# Altium PCB MKRZero_V5.0.PcbDoc (part 1 of 2)
Units mm, origin at the board's own origin, x right, y up, seen from the top; angles counter-clockwise.
Board outline 61.5 x 25 mm, 2 copper layers (Top, Bottom); 92 components, 67 nets, 307 pads, 160 vias.
Unrouted connection lines stored in the file: 95.
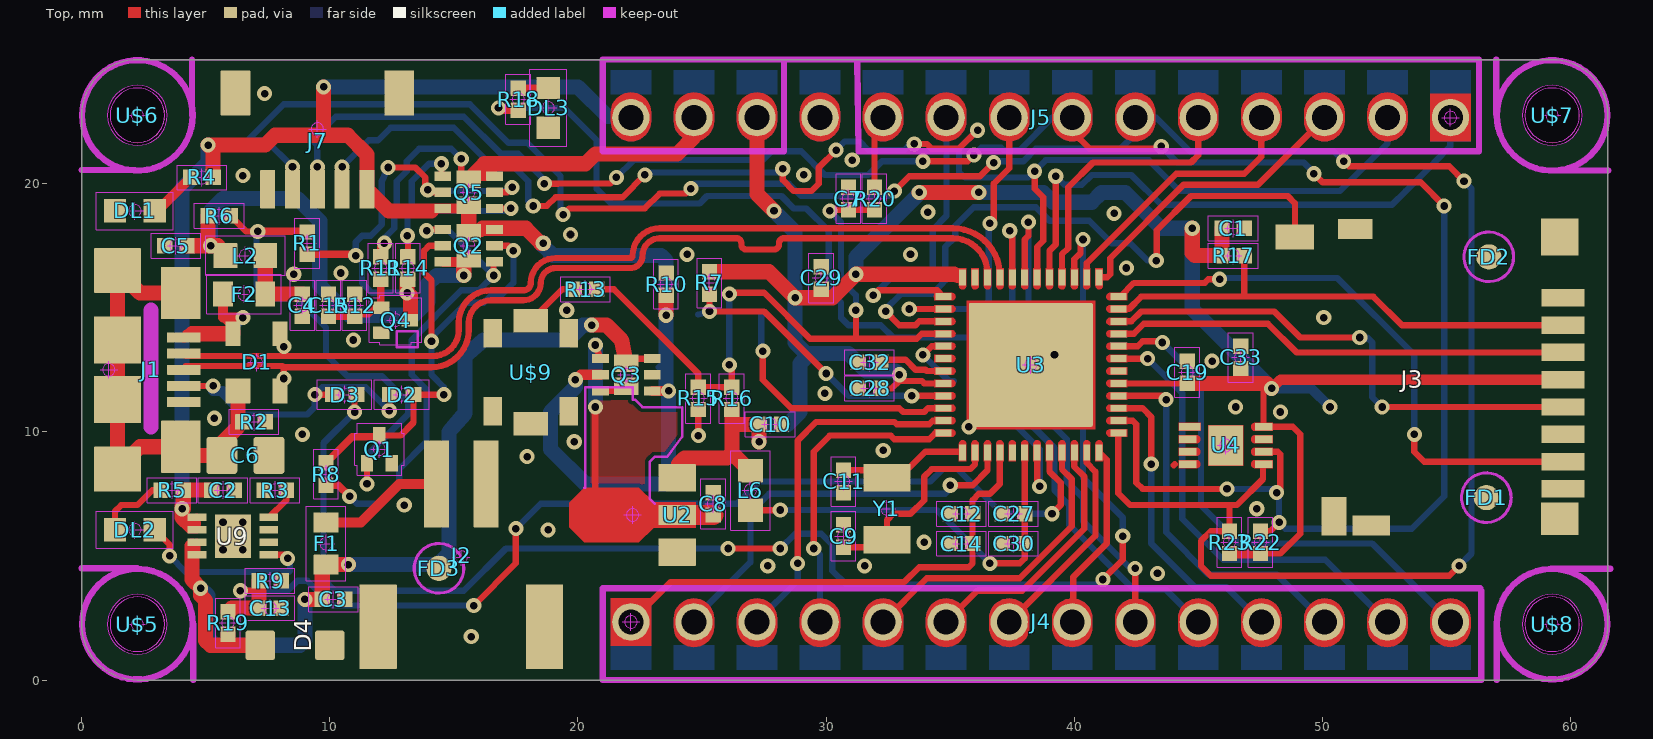
[diagram p0: Top view]
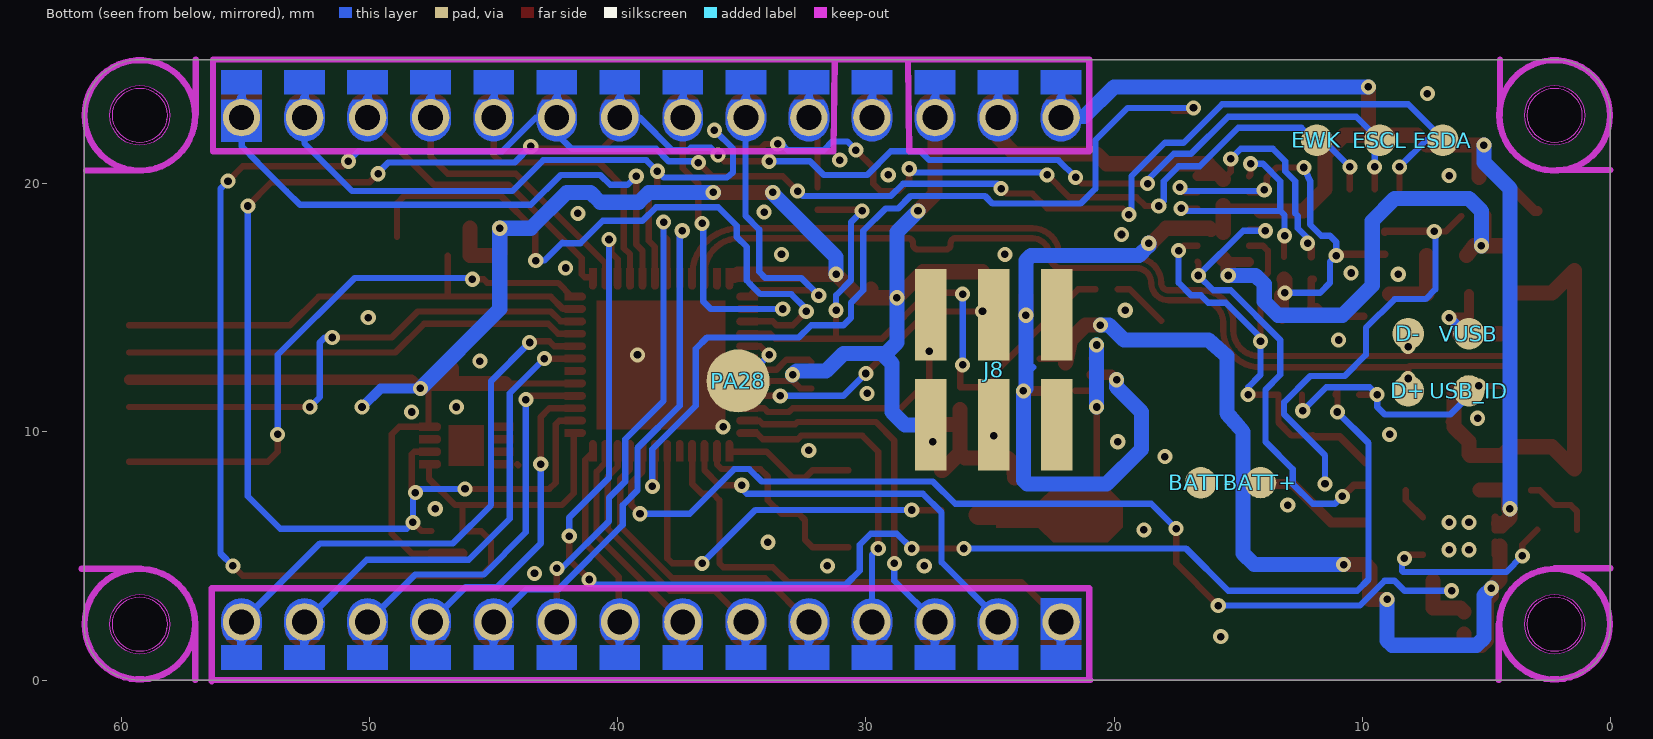
[diagram p1: Bottom view, seen from below]

## Layer stack, top to bottom
Top Solder: solder mask 0.0102, Solder Resist, Dk 3.5
Top: signal copper 0.035
Dielectric 1: dielectric 0.32, FR-4, Dk 4.8
Bottom: signal copper 0.035
Bottom Solder: solder mask 0.0102, Solder Resist, Dk 3.5

## Board outline
59.25,25 2.25,25 ccw(c2.25,22.75) 0,22.75 0,2.25 ccw(c2.25,2.25) 2.25,0 59.25,0 ccw(c59.25,2.25) 61.5,2.25 61.5,22.75 ccw(c59.25,22.75)
cut-out: 59.25,21.544 ccw(c59.25,22.75) 60.457,22.75 ccw(c59.25,22.75) 59.25,23.957 ccw(c59.25,22.75) 58.044,22.75 ccw(c59.25,22.75)
cut-out: 59.25,1.043 ccw(c59.25,2.25) 60.457,2.25 ccw(c59.25,2.25) 59.25,3.456 ccw(c59.25,2.25) 58.044,2.25 ccw(c59.25,2.25)
cut-out: 2.25,1.043 ccw(c2.25,2.25) 3.456,2.25 ccw(c2.25,2.25) 2.25,3.456 ccw(c2.25,2.25) 1.043,2.25 ccw(c2.25,2.25)
cut-out: 2.25,21.544 ccw(c2.25,22.75) 3.456,22.75 ccw(c2.25,22.75) 2.25,23.957 ccw(c2.25,22.75) 1.043,22.75 ccw(c2.25,22.75)
cut-out: 59.25,21.65 ccw(c59.25,22.75) 60.35,22.75 ccw(c59.25,22.75) 59.25,23.85 ccw(c59.25,22.75) 58.15,22.75 ccw(c59.25,22.75)
cut-out: 2.25,21.65 ccw(c2.25,22.75) 3.35,22.75 ccw(c2.25,22.75) 2.25,23.85 ccw(c2.25,22.75) 1.15,22.75 ccw(c2.25,22.75)
cut-out: 2.25,1.15 ccw(c2.25,2.25) 3.35,2.25 ccw(c2.25,2.25) 2.25,3.35 ccw(c2.25,2.25) 1.15,2.25 ccw(c2.25,2.25)
cut-out: 59.25,1.15 ccw(c59.25,2.25) 60.35,2.25 ccw(c59.25,2.25) 59.25,3.35 ccw(c59.25,2.25) 58.15,2.25 ccw(c59.25,2.25)

## Design rules (kind name [scope] priority, off if disabled: settings)
BoardOutlineClearance mdCopperDimension [All] p1: gap=0.254 ignorepadtopadclearanceinfootprint=FALSE except(0: Arc-SplitContinuation Track-SplitContinuation SMDPad-SplitContinuation THPad-SplitContinuation Via-SplitContinuation Fill-SplitContinuation Poly-SplitContinuation Region-SplitContinuation Text-SplitContinuation)
Clearance "Clearance (Same Net)" [All] p1: gap=0.152 ignorepadtopadclearanceinfootprint=FALSE
Clearance [All] p2: gap=0.152 ignorepadtopadclearanceinfootprint=FALSE
HoleSize [All] p1: absolutevalues=TRUE maxlimit=2540 minlimit=0.305 maxpercent=80.000 minpercent=20.000
HoleToHoleClearance mdDrill [All] p1: gap=0.254 allowstackedmicrovias=TRUE
MinimumSolderMaskSliver [All] p1 off: minsoldermaskwidth=0.254
PasteMaskExpansion Expansion_SMDPaste_OFF [InPadClass('SMDPaste_OFF')] p1: expansion=0
PasteMaskExpansion mlMinCreamFrame [All] p2: expansion=0
PolygonConnect PolygonConnect_For_PolygonThermal_ON_Width100000_Gap80000 [InPolygonClass('PolygonThermal_ON_Width100000_Gap80000') vs Not IsVia] p1: connectstyle=Relief reliefconductorwidth=0.254 reliefentries=4 polygonreliefangle="90 Angle" airgapwidth=0.203
PolygonConnect ThermalVias [IsVia] p2: connectstyle=Direct reliefconductorwidth=0.254 reliefentries=4 polygonreliefangle="90 Angle" airgapwidth=0.254
PolygonConnect [All] p3: connectstyle=Relief reliefconductorwidth=0.254 reliefentries=4 polygonreliefangle="90 Angle" airgapwidth=0.254
RoutingVias [All] p1: holewidth=0.305 width=0.61 viastyle="Through Hole" minholewidth=0.305 minwidth=0.61 maxholewidth=2.54 maxwidth=2.54
SolderMaskExpansion Expansion_SMDSolder_OFF [InPadClass('SMDSolder_OFF')] p1: expansion=0 istentingtop=FALSE
SolderMaskExpansion mlMinStopFrame [All] p2: expansion=0.051 istentingtop=FALSE
Width [All] p1: maxlimit=0.254 minlimit=0.152 preferedwidth=0.152
26 further rules are at their usual default settings.

## Classes and differential pairs
polygon class PolygonThermal_ON_Width100000_Gap80000: Polygon_1_Net_VLDO
pad class SMDSolder_OFF: Q1-D Q1-G Q1-S Q4-D Q4-G Q4-S U2-1 U2-2 U2-3 U3-1 U3-2 U3-3 U3-4 U3-5 U3-6 U3-7 U3-8 U3-9 U3-10 U3-11 U3-12 U3-13 U3-14 U3-15 U3-16 U3-17 U3-18 U3-19 U3-20 U3-21 U3-22 U3-23 U3-24 U3-25 U3-26 U3-27 U3-28 U3-29 U3-30 U3-31 U3-32 U3-33 U3-34 U3-35 U3-36 U3-37 U3-38 U3-39 U3-40 U3-41 U3-42 U3-43 U3-44 U3-45 U3-46 U3-47 U3-48 U3-49 U4-1 U4-2 U4-3 U4-4 U4-5 U4-6 U4-7 U4-8 U4-9 U9-1 U9-2 U9-3 U9-4 U9-5 U9-6 U9-7 U9-8 U9-PAD
pad class SMDPaste_OFF: BATT+-PP BATT--PP D+-PP D--PP ESCL-PP ESDA-PP EWK-PP FD1-P$1 FD2-P$1 FD3-P$1 PA28-PP Q1-D Q1-G Q1-S Q4-D Q4-G Q4-S U2-1 U2-2 U2-3 U3-1 U3-2 U3-3 U3-4 U3-5 U3-6 U3-7 U3-8 U3-9 U3-10 U3-11 U3-12 U3-13 U3-14 U3-15 U3-16 U3-17 U3-18 U3-19 U3-20 U3-21 U3-22 U3-23 U3-24 U3-25 U3-26 U3-27 U3-28 U3-29 U3-30 U3-31 U3-32 U3-33 U3-34 U3-35 U3-36 U3-37 U3-38 U3-39 U3-40 U3-41 U3-42 U3-43 U3-44 U3-45 U3-46 U3-47 U3-48 U3-49 U4-1 U4-2 U4-3 U4-4 U4-5 U4-6 U4-7 U4-8 U4-9 U9-1 U9-2 U9-3 U9-4 U9-5 U9-6 U9-7 U9-8 U9-PAD USB_ID-PP VUSB-PP

## Components (designator, comment, footprint, x,y, rotation, side; value= is the part's Value field where it differs from the comment)
BATT+ "PTR1B1,27" B1,27 14.1,7.955 r180 bottom
BATT- "PTR1B1,27" B1,27 16.505,7.945 r180 bottom
C1 "" 0402-1005X55N 46.4,18.2 r0 top
C2 "" 0402-1005X55N 5.7,7.65 r0 top
C3 "" 0402-1005X55N 10.15,3.25 r0 top
C4 "" 0402-1005X55N 8.9,15.1 r270 top
C5 "" 0402-1005X55N 3.8,17.5 r180 top
C6 "" C0805 6.6,9.05 r90 top
C7 "" 0402-1005X55N 30.9,19.4 r90 top
C8 "" 0402-1005X55N 25.45,7.1 r90 top
C9 "" 0402-1005X55N 30.7,5.8 r270 top
C10 "" 0402-1005X55N 27.75,10.3 r0 top
C11 "" 0402-1005X55N 30.7,8 r90 top
C12 "" 0402-1005X55N 35.45,6.7 r180 top
C13 "" 0402-1005X55N 7.6,2.9 r0 top
C14 "" 0402-1005X55N 35.45,5.5 r180 top
C15 "" 0402-1005X55N 9.95,15.1 r90 top
C19 "" 0402-1005X55N 44.55,12.4 r90 top
C27 "" 0402-1005X55N 37.551,6.7 r180 top
C28 "" 0402-1005X55N 31.75,11.75 r180 top
C29 "" 0402-1005X55N 29.8,16.2 r90 top
C30 "" 0402-1005X55N 37.55,5.5 r180 top
C32 "" 0402-1005X55N 31.751,12.8 r180 top
C33 "" 0402-1005X55N 46.7,13 r90 top
D1 "" SOT190P230X110-4N 7.05,12.8 r90 top
D2 "" SODFL1008X40N-882D 12.9,11.5 r0 top
D3 "" SODFL1008X40N-882D 10.6,11.5 r0 top
D4 "" SMA_DO123 8.6,1.4 r90 top
D+ "" B1,27 8.15,11.65 r180 bottom
D- "" B1,27 8.15,13.95 r180 bottom
DL1 "" LEDC1608X80N-AK 2.15,18.9 r0 top
DL2 "" LEDC1608X80N-AK 2.15,6.05 r180 top
DL3 "" LEDC1608X80N-AK 18.8,23.05 r90 top
ESCL "" B1,27 9.29,21.75 r180 bottom
ESDA "" B1,27 6.75,21.75 r180 bottom
EWK "" B1,27 11.83,21.75 r180 bottom
F1 "" 0603-F1608X100N 9.85,5.5 r270 top
F2 "" 0603-F1608X100N 6.55,15.55 r180 top
FD1 "" FIDUCIAL-MOUNT 56.6,7.35 r90 top
FD2 "" FIDUCIAL-MOUNT 56.7,17.05 r90 top
FD3 "" FIDUCIAL-MOUNT 14.4,4.5 r0 top
FRAME1 "" FRAME -2.3,-25.85 r0 top
FRAME2 "" FRAME -1.8,-21.7 r0 top
J1 "" USBMICRO-ZX62-AB-5PA 1.1,12.5 r270 top
J2 "" JST-S2B-PH-SM4-TB 15.3,4.95 r0 top
J3 "" AMPHENOL_114-00841-68 53.8,12.2 r90 top
J4 "" STRIP-14-MODULI-A11 22.135,2.34 r0 top
J5 "" STRIP-14-MODULI-A11 55.155,22.66 r180 top
J7 "" SM05B-SRSS-TB 9.5,22.2 r180 top
J8 "" 2X3_SMT 24.85,12.5 r180 bottom
L2 "" 0603-1608X90N 6.6,17.1 r180 top
L6 "" 0603-1608X90N 26.95,7.64 r270 top
PA28 "" B2,54 35.15,12.05 r180 bottom
Q1 "" SOTFL50P160X78-3 12,9.3 r0 top
Q2 "" SON65P200X200X60-8N-DM 15.6,17.5 r180 top
Q3 "" SON65P205X205X75-8N-MWSD 21.95,12.3 r0 top
Q4 "" SOTFL50P160X78-3 12.65,14.5 r270 top
Q5 "" SON65P200X200X60-8N-DM 15.6,19.65 r0 top
R1 "" 0402-1005X55N 9.1,17.6 r90 top
R2 "" 0402-1005X55N 6.95,10.4 r180 top
R3 "" 0402-1005X55N 7.8,7.65 r0 top
R4 "" 0402-1005X55N 4.85,20.25 r0 top
R5 "" 0402-1005X55N 3.65,7.65 r0 top
R6 "" 0402-1005X55N 5.55,18.7 r180 top
R7 "" 0402-1005X55N 25.3,16 r90 top
R8 "" 0402-1005X55N 9.85,8.3 r270 top
R9 "" 0402-1005X55N 7.6,4 r180 top
R10 "" 0402-1005X55N 23.55,15.95 r270 top
R11 "" 0402-1005X55N 12.05,16.6 r90 top
R12 "" 0402-1005X55N 11,15.1 r270 top
R13 "" 0402-1005X55N 20.3,15.75 r0 top
R14 "" 0402-1005X55N 13.15,16.6 r90 top
R15 "" 0402-1005X55N 24.85,11.35 r90 top
R16 "" 0402-1005X55N 26.2,11.35 r270 top
R17 "" 0402-1005X55N 46.4,17.1 r180 top
R18 "" 0402-1005X55N 17.6,23.4 r90 top
R19 "" 0402-1005X55N 5.9,2.3 r270 top
R20 "" 0402-1005X55N 31.95,19.4 r90 top
R22 "" 0402-1005X55N 47.5,5.55 r270 top
R23 "" 0402-1005X55N 46.25,5.55 r270 top
U2 "" SOT150P400X160-3N 22.2,6.65 r90 top
U3 "" QFN50P700X700X90-49XN-EPSQ515 38.25,12.7 r90 top
U4 "" SON50P300X200X60-9N-EP160X140 46.1,9.45 r0 top
U9 "" 2X3DFN 6.1,5.8 r270 top
U$5 "" MH_RND_F_2.2MM_NM 2.25,2.25 r90 top
U$6 "" MH_RND_F_2.2MM_NM 2.25,22.75 r90 top
U$7 "" MH_RND_F_2.2MM_NM 59.25,22.75 r90 top
U$8 "" MH_RND_F_2.2MM_NM 59.25,2.25 r90 top
U$9 "" C&K_PTS820_NOPEGS 18.1,12.4 r90 top
USB_ID "" B1,27 5.7,11.65 r180 bottom
VUSB "" B1,27 5.7,13.95 r180 bottom
Y1 "" QUARZO-ABS07 32.45,6.9 r90 top

## Footprints (in the part's own frame and the unit in brackets; to place one, negate y for a bottom-side part, rotate by r counter-clockwise, add the part's x,y. Pads: shape width x height; smd on the part's side, far side on the other; paste and mask are expansions set on the pad)
2X3_SMT [mil] "2X3_SMT"
  rect 50x145 smd: 1(-100,-87.5) 2(-100,87.5) 3(0,-87.5) 4(0,87.5) 5(100,-87.5) 6(100,87.5)
  body extent -125,-160 125,160, height 50
2X3DFN [mm] "2X3DFN"
  rect 0.3x0.75 smd paste+0 mask+0: 1(-0.75,-1.45) 2(-0.25,-1.45) 3(0.25,-1.45) 4(0.75,-1.45) 5(0.75,1.45) 6(0.25,1.45) 7(-0.25,1.45) 8(-0.75,1.45)
  rect 1.75x1.45 smd paste+0 mask+0: PAD(0,0)
  body extent -0.9,-1.83 0.9,1.83, height 3.81
0402-1005X55N [mm] "0402-1005X55N"
  rrect3% 0.62x0.62 smd: 1(-0.45,0) 2(0.45,0)
  Top keep-out circle w0.05: c0,0 r0.25
  Top keep-out lines w0.05: -0.35,0 0.35,0 ; 0,-0.35 0,0.35 ; -1,-0.5 -1,0.5 1,0.5 1,-0.5 -1,-0.5
  body extent -1.03,-0.53 1.03,0.53, height 3.81
0603-1608X90N [mm] "0603-1608X90N"
  rrect3% 0.95x1 smd: 1(-0.8,0) 2(0.8,0)
  Top keep-out circle w0.05: c0,0 r0.25
  Top keep-out lines w0.05: 0.35,0 -0.35,0 ; 0,0.35 0,-0.35 ; 1.6,0.8 -1.6,0.8 -1.6,-0.8 1.6,-0.8 1.6,0.8
  body extent -1.63,-0.83 1.63,0.83, height 3.81
0603-F1608X100N [mm] "0603-F1608X100N"
  rrect3% 0.8x1 smd: 1(-0.85,0) 2(0.85,0)
  Top keep-out circle w0.05: c0,0 r0.25
  Top keep-out lines w0.05: 0,-0.35 0,0.35 ; 0.35,0 -0.35,0 ; 1.5,-0.8 1.5,0.8 -1.5,0.8 -1.5,-0.8 1.5,-0.8
  body extent -1.53,-0.83 1.53,0.83, height 3.81
AMPHENOL_114-00841-68 [mm] "AMPHENOL_114-00841-68"
  rect 0.7x1.75 smd: 1(3.2,-5.888) 2(2.1,-5.888) 3(1,-5.888) 4(-0.1,-5.888) 5(-1.2,-5.888) 6(-2.3,-5.888) 7(-3.4,-5.888) 8(-4.5,-5.888)
  rect 1x1.55 smd: CD1(5.65,4.912)
  rect 1.55x1 smd: CD2(-5.602,3.337)
  rect 1.3x1.5 smd: SH1(-5.7,-5.76)
  rect 1.5x1.5 smd: SH2(5.65,-5.76)
  rect 0.8x1.4 smd: SH3(5.975,2.487)
  rect 0.8x1.5 smd: SH4(-5.975,1.837)
  body extent -6.38,-9.05 6.4,5.69, height 3.81
B1,27 [mm] "B1,27"
  rrect100% 1.27x1.27 smd paste+0: PP(0,0)
  body extent -0.65,-0.65 0.65,0.65, height 1.27
B2,54 [mm] "B2,54"
  rrect100% 2.54x2.54 smd paste+0: PP(0,0)
  body extent -1.28,-1.28 1.28,1.28, height 1.27
C0805 [mm] "C0805"
  rrect20% 1.5x1.25 smd: 1(0,0.95) 2(0,-0.95)
  body extent -0.76,-1.59 0.76,1.59, height 1.27
C&K_PTS820_NOPEGS [mm] "C&K_PTS820_NOPEGS"
  rect 1.15x0.75 smd: 1(-1.575,1.525) 2(-1.575,-1.525) 3(1.575,1.525) 4(1.575,-1.525)
  rect 0.95x1.4 smd: 5(-2.075,0) 6(2.075,0)
  body extent -2.55,-1.9 2.55,1.9, height 1.27
FIDUCIAL-MOUNT [mil] "FIDUCIAL-MOUNT"
  rrect100% 40x40 smd paste+0: P$1(0,0)
  Top keep-out circle w5: c0,0 r39.37
  body extent -44,-44 44,44, height 150
FRAME [mm] "FRAME"
JST-S2B-PH-SM4-TB [mm] "JST-S2B-PH-SM4-TB"
  rrect3% 1x3.5 smd: 1(-1,2.95) 2(1,2.95)
  rrect3% 1.5x3.4 smd: 3(3.35,-2.8) 4(-3.35,-2.8)
  Top keep-out circle w0.05: c0,0 r0.25
  Top keep-out lines w0.05: -0.35,0 0.35,0 ; 0,-0.35 0,0.35
  body extent -4.1,-4.5 4.1,4.7, height 3.81
LEDC1608X80N-AK [mil] "LEDC1608X80N-AK"
  rrect3% 35.43x37.4 smd: A(31.5,0) C(-31.5,0)
  Top keep-out circle w1.97: c0,0 r9.84
  Top keep-out lines w1.97: -13.78,0 13.78,0 ; 0,-13.78 0,13.78 ; -61.02,-29.53 61.02,-29.53 61.02,29.53 -61.02,29.53 -61.02,-29.53
  body extent -62,-31 62,31, height 150
MH_RND_F_2.2MM_NM [mm] "MH_RND_F_2.2MM_NM"
  Top keep-out circle w0.05: c0,0 r0.25
  Top keep-out lines w0.05: 0,0.35 0,-0.35 ; -0.35,0 0.35,0
  body extent -2.31,-2.31 2.31,2.31, height 3.81
QFN50P700X700X90-49XN-EPSQ515 [mm] "QFN50P700X700X90-49XN-EPSQ515"
  rrect3% 0.65x0.28 smd paste+0 mask+0: 1(-3.525,2.75) 2(-3.525,2.25) 3(-3.525,1.75) 4(-3.525,1.25) 5(-3.525,0.75) 6(-3.525,0.25) 7(-3.525,-0.25) 8(-3.525,-0.75) 9(-3.525,-1.25) 10(-3.525,-1.75) 11(-3.525,-2.25) 12(-3.525,-2.75) 25(3.525,-2.75) 26(3.525,-2.25) 27(3.525,-1.75) 28(3.525,-1.25) 29(3.525,-0.75) 30(3.525,-0.25) 31(3.525,0.25) 32(3.525,0.75) 33(3.525,1.25) 34(3.525,1.75) 35(3.525,2.25) 36(3.525,2.75)
  rrect3% 0.28x0.65 smd paste+0 mask+0: 13(-2.75,-3.525) 14(-2.25,-3.525) 15(-1.75,-3.525) 16(-1.25,-3.525) 17(-0.75,-3.525) 18(-0.25,-3.525) 19(0.25,-3.525) 20(0.75,-3.525) 21(1.25,-3.525) 22(1.75,-3.525) 23(2.25,-3.525) 24(2.75,-3.525) 37(2.75,3.525) 38(2.25,3.525) 39(1.75,3.525) 40(1.25,3.525) 41(0.75,3.525) 42(0.25,3.525) 43(-0.25,3.525) 44(-0.75,3.525) 45(-1.25,3.525) 46(-1.75,3.525) 47(-2.25,3.525) 48(-2.75,3.525)
  rrect3% 5x5 smd paste+0 mask+0: 49(0,0)
  Top region: 2.898,3.888 2.898,3.185 2.879,3.111 2.825,3.057 2.752,3.037 2.752,3.037 2.694,3.047 2.646,3.079 2.613,3.128 2.601,3.185 2.601,3.185 2.601,3.888
  Top region: 2.601,-3.888 2.601,-3.185 2.613,-3.128 2.646,-3.079 2.694,-3.047 2.752,-3.037 2.752,-3.037 2.825,-3.057 2.879,-3.111 2.898,-3.185 2.898,-3.185 2.898,-3.888
  Top region: 3.888,2.601 3.185,2.601 3.128,2.613 3.079,2.646 3.047,2.694 3.037,2.752 3.037,2.752 3.057,2.825 3.111,2.879 3.185,2.898 3.185,2.898 3.888,2.898
  Top region: -2.898,-3.888 -2.898,-3.185 -2.879,-3.111 -2.825,-3.057 -2.752,-3.037 -2.752,-3.037 -2.694,-3.047 -2.646,-3.079 -2.613,-3.128 -2.601,-3.185 -2.601,-3.185 -2.601,-3.888
  Top region: -2.399,-3.888 -2.399,-3.185 -2.387,-3.128 -2.354,-3.079 -2.306,-3.047 -2.248,-3.037 -2.248,-3.037 -2.175,-3.057 -2.121,-3.111 -2.102,-3.185 -2.102,-3.185 -2.102,-3.888
  Top region: -1.898,-3.888 -1.898,-3.185 -1.879,-3.111 -1.825,-3.057 -1.752,-3.037 -1.752,-3.037 -1.694,-3.047 -1.646,-3.079 -1.613,-3.128 -1.601,-3.185 -1.601,-3.185 -1.601,-3.888
  Top region: -1.399,-3.888 -1.399,-3.185 -1.387,-3.128 -1.354,-3.079 -1.306,-3.047 -1.248,-3.037 -1.248,-3.037 -1.175,-3.057 -1.121,-3.111 -1.102,-3.185 -1.102,-3.185 -1.102,-3.888
  Top region: -0.898,-3.888 -0.898,-3.185 -0.879,-3.111 -0.825,-3.057 -0.752,-3.037 -0.752,-3.037 -0.694,-3.047 -0.646,-3.079 -0.613,-3.128 -0.601,-3.185 -0.601,-3.185 -0.601,-3.888
  Top region: -0.399,-3.888 -0.399,-3.185 -0.387,-3.128 -0.354,-3.079 -0.306,-3.047 -0.248,-3.037 -0.248,-3.037 -0.175,-3.057 -0.121,-3.111 -0.102,-3.185 -0.102,-3.185 -0.102,-3.888
  Top region: 0.102,-3.888 0.102,-3.185 0.121,-3.111 0.175,-3.057 0.248,-3.037 0.248,-3.037 0.306,-3.047 0.354,-3.079 0.387,-3.128 0.399,-3.185 0.399,-3.185 0.399,-3.888
  Top region: 0.601,-3.888 0.601,-3.185 0.613,-3.128 0.646,-3.079 0.694,-3.047 0.752,-3.037 0.752,-3.037 0.825,-3.057 0.879,-3.111 0.898,-3.185 0.898,-3.185 0.898,-3.888
  Top region: 1.102,-3.888 1.102,-3.185 1.121,-3.111 1.175,-3.057 1.248,-3.037 1.248,-3.037 1.306,-3.047 1.354,-3.079 1.387,-3.128 1.399,-3.185 1.399,-3.185 1.399,-3.888
  Top region: 1.601,-3.888 1.601,-3.185 1.613,-3.128 1.646,-3.079 1.694,-3.047 1.752,-3.037 1.752,-3.037 1.825,-3.057 1.879,-3.111 1.898,-3.185 1.898,-3.185 1.898,-3.888
  Top region: 2.102,-3.888 2.102,-3.185 2.121,-3.111 2.175,-3.057 2.248,-3.037 2.248,-3.037 2.306,-3.047 2.354,-3.079 2.387,-3.128 2.399,-3.185 2.399,-3.185 2.399,-3.888
  Top region: -3.888,1.898 -3.185,1.898 -3.111,1.879 -3.057,1.825 -3.037,1.752 -3.037,1.752 -3.047,1.694 -3.079,1.646 -3.128,1.613 -3.185,1.601 -3.185,1.601 -3.888,1.601
  Top region: -3.888,1.399 -3.185,1.399 -3.128,1.387 -3.079,1.354 -3.047,1.306 -3.037,1.248 -3.037,1.248 -3.057,1.175 -3.111,1.121 -3.185,1.102 -3.185,1.102 -3.888,1.102
  Top region: -3.888,0.898 -3.185,0.898 -3.111,0.879 -3.057,0.825 -3.037,0.752 -3.037,0.752 -3.047,0.694 -3.079,0.646 -3.128,0.613 -3.185,0.601 -3.185,0.601 -3.888,0.601
  Top region: -3.888,0.399 -3.185,0.399 -3.128,0.387 -3.079,0.354 -3.047,0.306 -3.037,0.248 -3.037,0.248 -3.057,0.175 -3.111,0.121 -3.185,0.102 -3.185,0.102 -3.888,0.102
  Top region: -3.888,-0.102 -3.185,-0.102 -3.111,-0.121 -3.057,-0.175 -3.037,-0.248 -3.037,-0.248 -3.047,-0.306 -3.079,-0.354 -3.128,-0.387 -3.185,-0.399 -3.185,-0.399 -3.888,-0.399
  Top region: -3.888,-0.601 -3.185,-0.601 -3.128,-0.613 -3.079,-0.646 -3.047,-0.694 -3.037,-0.752 -3.037,-0.752 -3.057,-0.825 -3.111,-0.879 -3.185,-0.898 -3.185,-0.898 -3.888,-0.898
  Top region: -3.888,-1.102 -3.185,-1.102 -3.111,-1.121 -3.057,-1.175 -3.037,-1.248 -3.037,-1.248 -3.047,-1.306 -3.079,-1.354 -3.128,-1.387 -3.185,-1.399 -3.185,-1.399 -3.888,-1.399
  Top region: -3.888,-1.601 -3.185,-1.601 -3.128,-1.613 -3.079,-1.646 -3.047,-1.694 -3.037,-1.752 -3.037,-1.752 -3.057,-1.825 -3.111,-1.879 -3.185,-1.898 -3.185,-1.898 -3.888,-1.898
  Top region: -3.888,-2.102 -3.185,-2.102 -3.111,-2.121 -3.057,-2.175 -3.037,-2.248 -3.037,-2.248 -3.047,-2.306 -3.079,-2.354 -3.128,-2.387 -3.185,-2.399 -3.185,-2.399 -3.888,-2.399
  Top region: -3.888,-2.601 -3.185,-2.601 -3.128,-2.613 -3.079,-2.646 -3.047,-2.694 -3.037,-2.752 -3.037,-2.752 -3.057,-2.825 -3.111,-2.879 -3.185,-2.898 -3.185,-2.898 -3.888,-2.898
  Top region: 2.399,3.888 2.399,3.185 2.387,3.128 2.354,3.079 2.306,3.047 2.248,3.037 2.248,3.037 2.175,3.057 2.121,3.111 2.102,3.185 2.102,3.185 2.102,3.888
  Top region: 1.898,3.888 1.898,3.185 1.879,3.111 1.825,3.057 1.752,3.037 1.752,3.037 1.694,3.047 1.646,3.079 1.613,3.128 1.601,3.185 1.601,3.185 1.601,3.888
  Top region: 1.399,3.888 1.399,3.185 1.387,3.128 1.354,3.079 1.306,3.047 1.248,3.037 1.248,3.037 1.175,3.057 1.121,3.111 1.102,3.185 1.102,3.185 1.102,3.888
  Top region: 0.898,3.888 0.898,3.185 0.879,3.111 0.825,3.057 0.752,3.037 0.752,3.037 0.694,3.047 0.646,3.079 0.613,3.128 0.601,3.185 0.601,3.185 0.601,3.888
  Top region: 0.399,3.888 0.399,3.185 0.387,3.128 0.354,3.079 0.306,3.047 0.248,3.037 0.248,3.037 0.175,3.057 0.121,3.111 0.102,3.185 0.102,3.185 0.102,3.888
  Top region: -0.102,3.888 -0.102,3.185 -0.121,3.111 -0.175,3.057 -0.248,3.037 -0.248,3.037 -0.306,3.047 -0.354,3.079 -0.387,3.128 -0.399,3.185 -0.399,3.185 -0.399,3.888
  Top region: -0.601,3.888 -0.601,3.185 -0.613,3.128 -0.646,3.079 -0.694,3.047 -0.752,3.037 -0.752,3.037 -0.825,3.057 -0.879,3.111 -0.898,3.185 -0.898,3.185 -0.898,3.888
  Top region: -1.102,3.888 -1.102,3.185 -1.121,3.111 -1.175,3.057 -1.248,3.037 -1.248,3.037 -1.306,3.047 -1.354,3.079 -1.387,3.128 -1.399,3.185 -1.399,3.185 -1.399,3.888
  Top region: -1.601,3.888 -1.601,3.185 -1.613,3.128 -1.646,3.079 -1.694,3.047 -1.752,3.037 -1.752,3.037 -1.825,3.057 -1.879,3.111 -1.898,3.185 -1.898,3.185 -1.898,3.888
  Top region: -2.102,3.888 -2.102,3.185 -2.121,3.111 -2.175,3.057 -2.248,3.037 -2.248,3.037 -2.306,3.047 -2.354,3.079 -2.387,3.128 -2.399,3.185 -2.399,3.185 -2.399,3.888
  Top region: -2.601,3.888 -2.601,3.185 -2.613,3.128 -2.646,3.079 -2.694,3.047 -2.752,3.037 -2.752,3.037 -2.825,3.057 -2.879,3.111 -2.898,3.185 -2.898,3.185 -2.898,3.888
  Top region: 3.888,-2.898 3.185,-2.898 3.111,-2.879 3.057,-2.825 3.037,-2.752 3.037,-2.752 3.047,-2.694 3.079,-2.646 3.128,-2.613 3.185,-2.601 3.185,-2.601 3.888,-2.601
  Top region: 3.888,-2.399 3.185,-2.399 3.128,-2.387 3.079,-2.354 3.047,-2.306 3.037,-2.248 3.037,-2.248 3.057,-2.175 3.111,-2.121 3.185,-2.102 3.185,-2.102 3.888,-2.102
  Top region: 3.888,-1.898 3.185,-1.898 3.111,-1.879 3.057,-1.825 3.037,-1.752 3.037,-1.752 3.047,-1.694 3.079,-1.646 3.128,-1.613 3.185,-1.601 3.185,-1.601 3.888,-1.601
  Top region: 3.888,-1.399 3.185,-1.399 3.128,-1.387 3.079,-1.354 3.047,-1.306 3.037,-1.248 3.037,-1.248 3.057,-1.175 3.111,-1.121 3.185,-1.102 3.185,-1.102 3.888,-1.102
  Top region: 3.888,-0.898 3.185,-0.898 3.111,-0.879 3.057,-0.825 3.037,-0.752 3.037,-0.752 3.047,-0.694 3.079,-0.646 3.128,-0.613 3.185,-0.601 3.185,-0.601 3.888,-0.601
  Top region: 3.888,-0.399 3.185,-0.399 3.128,-0.387 3.079,-0.354 3.047,-0.306 3.037,-0.248 3.037,-0.248 3.057,-0.175 3.111,-0.121 3.185,-0.102 3.185,-0.102 3.888,-0.102
  Top region: 3.888,0.102 3.185,0.102 3.111,0.121 3.057,0.175 3.037,0.248 3.037,0.248 3.047,0.306 3.079,0.354 3.128,0.387 3.185,0.399 3.185,0.399 3.888,0.399
  Top region: 3.888,0.601 3.185,0.601 3.128,0.613 3.079,0.646 3.047,0.694 3.037,0.752 3.037,0.752 3.057,0.825 3.111,0.879 3.185,0.898 3.185,0.898 3.888,0.898
  Top region: 3.888,1.102 3.185,1.102 3.111,1.121 3.057,1.175 3.037,1.248 3.037,1.248 3.047,1.306 3.079,1.354 3.128,1.387 3.185,1.399 3.185,1.399 3.888,1.399
  Top region: 3.888,1.601 3.185,1.601 3.128,1.613 3.079,1.646 3.047,1.694 3.037,1.752 3.037,1.752 3.057,1.825 3.111,1.879 3.185,1.898 3.185,1.898 3.888,1.898
  Top region: 3.888,2.102 3.185,2.102 3.111,2.121 3.057,2.175 3.037,2.248 3.037,2.248 3.047,2.306 3.079,2.354 3.128,2.387 3.185,2.399 3.185,2.399 3.888,2.399
  Top region: -3.888,2.399 -3.19,2.399 -3.185,2.399 -3.128,2.387 -3.079,2.354 -3.047,2.306 -3.037,2.248 -3.037,2.248 -3.057,2.175 -3.111,2.121 -3.185,2.102 -3.185,2.102 -3.19,2.102 -3.888,2.102
  Top region: -3.888,2.898 -3.19,2.898 -3.185,2.898 -3.111,2.879 -3.057,2.825 -3.037,2.752 -3.037,2.752 -3.047,2.694 -3.079,2.646 -3.128,2.613 -3.185,2.601 -3.185,2.601 -3.19,2.601 -3.888,2.601
  Top region: -2.589,2.589 2.589,2.589 2.589,-2.589 -2.589,-2.589
  Top keep-out circle w0.05: c0,0 r0.25
  Top keep-out lines w0.05: 0,0.35 0,-0.35 ; -0.35,0 0.35,0
  body extent -3.88,-3.88 3.88,3.88, height 3.81
QUARZO-ABS07 [mm] "QUARZO-ABS07"
  rrect3% 1.1x1.9 smd: 1(-1.25,0) 2(1.25,0)
  Top keep-out circle w0.05: c0,0 r0.25
  Top keep-out lines w0.05: 0,0.35 0,-0.35 ; -0.35,0 0.35,0
  body extent -1.8,-0.95 1.8,0.95, height 3.81
SM05B-SRSS-TB [mm] "SM05B-SRSS-TB"
  rrect4% 0.6x1.55 smd: 1(-2,2.425) 2(-1,2.425) 3(0,2.425) 4(1,2.425) 5(2,2.425)
  rrect4% 1.2x1.8 smd: SH1(-3.3,-1.45) SH2(3.3,-1.45)
  Top keep-out circle w0.05: c0,0 r0.25
  Top keep-out lines w0.05: 0.35,0 -0.35,0 ; 0,0.35 0,-0.35
  body extent -3.9,-2.35 3.9,3.2, height 3.81
SMA_DO123 [mm] "SMA_DO123"
  rrect20% 1.2x1.2 smd: A(0,-1.4) C(0,1.4)
  body extent -0.61,-2.01 0.61,2.01, height 1.27
SODFL1008X40N-882D [mm] "SODFL1008X40N-882D"
  rrect3% 0.65x0.6 smd: A(0.475,0) C(-0.475,0)
  Top keep-out circle w0.05: c0,0 r0.25
  Top keep-out lines w0.05: -0.35,0 0.35,0 ; 0,-0.35 0,0.35 ; -1.1,-0.6 1.1,-0.6 1.1,0.6 -1.1,0.6 -1.1,-0.6
  body extent -1.13,-0.63 1.13,0.63, height 3.81
SON50P300X200X60-9N-EP160X140 [mm] "SON50P300X200X60-9N-EP160X140"
  rrect3% 0.85x0.3 smd paste+0 mask+0: 1(-1.45,0.75)
  rrect3% 0.7x0.3 smd paste+0 mask+0: 2(-1.525,0.25) 3(-1.525,-0.25) 4(-1.525,-0.75) 5(1.525,-0.75) 6(1.525,-0.25) 7(1.525,0.25) 8(1.525,0.75)
  rrect3% 1.4x1.6 smd paste+0 mask+0: 9(0,0)
  Top region: 1.888,0.587 1.175,0.587 1.117,0.599 1.067,0.632 1.034,0.681 1.022,0.74 1.022,0.74 1.022,0.75 1.022,0.76 1.034,0.818 1.067,0.868 1.117,0.901 1.175,0.913 1.175,0.913 1.888,0.913
  Top region: 1.888,0.087 1.175,0.087 1.117,0.099 1.067,0.132 1.034,0.182 1.022,0.24 1.022,0.24 1.022,0.25 1.022,0.26 1.034,0.319 1.067,0.368 1.117,0.401 1.175,0.413 1.175,0.413 1.888,0.413
  Top region: 1.888,-0.413 1.175,-0.413 1.117,-0.401 1.067,-0.368 1.034,-0.319 1.022,-0.26 1.022,-0.26 1.022,-0.25 1.022,-0.24 1.034,-0.182 1.067,-0.132 1.117,-0.099 1.175,-0.087 1.175,-0.087 1.888,-0.087
  Top region: 1.888,-0.913 1.175,-0.913 1.117,-0.901 1.067,-0.868 1.034,-0.818 1.022,-0.76 1.022,-0.76 1.022,-0.75 1.022,-0.74 1.034,-0.681 1.067,-0.632 1.117,-0.599 1.175,-0.587 1.175,-0.587 1.888,-0.587
  Top region: -1.888,-0.587 -1.175,-0.587 -1.117,-0.599 -1.067,-0.632 -1.034,-0.681 -1.022,-0.74 -1.022,-0.74 -1.022,-0.75 -1.022,-0.76 -1.034,-0.818 -1.067,-0.868 -1.117,-0.901 -1.175,-0.913 -1.175,-0.913 -1.888,-0.913
  Top region: -1.888,-0.087 -1.175,-0.087 -1.117,-0.099 -1.067,-0.132 -1.034,-0.182 -1.022,-0.24 -1.022,-0.24 -1.022,-0.25 -1.022,-0.26 -1.034,-0.319 -1.067,-0.368 -1.117,-0.401 -1.175,-0.413 -1.175,-0.413 -1.888,-0.413
  Top region: -1.888,0.413 -1.175,0.413 -1.117,0.401 -1.067,0.368 -1.034,0.319 -1.022,0.26 -1.022,0.26 -1.022,0.25 -1.022,0.24 -1.034,0.182 -1.067,0.132 -1.117,0.099 -1.175,0.087 -1.175,0.087 -1.888,0.087
  Top region: -1.886,0.914 -1.01,0.914 -1.01,0.584 -1.886,0.584
  Top region: 0.713,-0.813 0.713,0.813 -0.713,0.813 -0.713,-0.813
  Top keep-out circle w0.05: c0,0 r0.25
  Top keep-out lines w0.05: -0.35,0 0.35,0 ; 0,-0.35 0,0.35
  body extent -1.95,-1.01 1.95,1.01, height 3.81
SON65P200X200X60-8N-DM [mm] "SON65P200X200X60-8N-DM"
  rrect3% 0.67x0.37 smd: D1(1.04,0.65) D2(-1.04,-0.65) G1(-1.04,0) G2(1.04,0) S1(-1.04,0.65) S2(1.04,-0.65)
  rrect3% 1x0.7 smd: D1'(0,0.525) D2'(0,-0.525)
  Top keep-out circle w0.05: c0,0 r0.25
  Top keep-out lines w0.05: 0.35,0 -0.35,0 ; 0,0.35 0,-0.35
  body extent -1.38,-1.01 1.38,1.01, height 3.81
SON65P205X205X75-8N-MWSD [mm] "SON65P205X205X75-8N-MWSD"
  rrect3% 0.67x0.37 smd: A(1.04,-0.65) D(1.04,0.65) G(-1.04,0) K(-1.04,-0.65) NC(1.04,0) S(-1.04,0.65)
  rrect3% 1x0.7 smd: D2(0,0.467) K2(0,-0.467)
  Top keep-out circle w0.05: c0,0 r0.25
  Top keep-out lines w0.05: -0.35,0 0.35,0 ; 0,-0.35 0,0.35
  body extent -1.38,-1.04 1.38,1.04, height 3.81
SOT150P400X160-3N [mil] "SOT150P400X160-3N"
  rrect3% 43.31x59.06 smd paste+0 mask+0: 1(-59.06,-70.87) 3(59.06,-70.87)
  rrect3% 31.5x59.06 smd paste+0 mask+0: 2(0,-70.87)
  Top region: -19.88,-100.59 19.88,-100.59 19.88,-33.54 43.5,-9.92 43.5,76.85 19.77,100.59 -19.77,100.59 -43.51,76.85 -43.5,-9.92 -19.88,-33.54
  Top keep-out circle w1.97: c0,0 r9.84
  Top keep-out lines w1.97: 0,13.78 0,-13.78 ; -13.78,0 13.78,0
  body extent -89,-103 89,103, height 150
SOT190P230X110-4N [mm] "SOT190P230X110-4N"
  rrect3% 1x1 smd: 1(-1.15,0.75)
  rrect3% 1x0.6 smd: 2(-1.15,-0.95) 3(1.15,-0.95) 4(1.15,0.95)
  Top keep-out circle w0.05: c0,0 r0.25
  Top keep-out lines w0.05: 0,0.35 0,-0.35 ; -0.35,0 0.35,0
  body extent -1.65,-1.46 1.65,1.46, height 3.81
SOTFL50P160X78-3 [mm] "SOTFL50P160X78-3"
  rrect4% 0.5x0.66 smd paste+0 mask+0: D(0,0.57) G(-0.5,-0.57) S(0.5,-0.57)
  Top keep-out circle w0.05: c0,0 r0.25
  Top keep-out lines w0.05: -0.35,0 0.35,0 ; 0,-0.35 0,0.35 ; -1,-0.64 -1,0.64 -0.9,0.64 -0.9,1.05 0.9,1.05 0.9,0.64 1,0.64 1,-0.64 0.9,-0.64 0.9,-1.05 -0.9,-1.05 -0.9,-0.64 -1,-0.64
  body extent -1.03,-1.08 1.03,1.08, height 3.81
STRIP-14-MODULI-A11 [mm] "STRIP-14-MODULI-A11"
  round 1.508 hole 1: 1(0,0) 2(2.54,0) 3(5.08,0) 4(7.62,0) 5(10.16,0) 6(12.7,0) 7(15.24,0) 8(17.78,0) 9(20.32,0) 10(22.86,0) 11(25.4,0) 12(27.94,0) 13(30.48,0) 14(33.02,0)
  Top region: 33.02,0.953 32.709,0.891 32.445,0.714 32.269,0.451 32.207,0.14 32.207,0.14 32.207,0 32.207,-0.203 32.269,-0.514 32.445,-0.778 32.709,-0.954 33.02,-1.016 33.02,-1.016 33.331,-0.954 33.595,-0.778 33.771,-0.514 33.833,-0.203 33.833,-0.203 33.833,0 33.833,0.14 33.771,0.451 33.595,0.714 33.331,0.891 33.02,0.953
  Top region: 30.48,0.953 30.169,0.891 29.905,0.714 29.729,0.451 29.667,0.14 29.667,0.14 29.667,0 29.667,-0.203 29.729,-0.514 29.905,-0.778 30.169,-0.954 30.48,-1.016 30.48,-1.016 30.791,-0.954 31.055,-0.778 31.231,-0.514 31.293,-0.203 31.293,-0.203 31.293,0 31.293,0.14 31.231,0.451 31.055,0.714 30.791,0.891 30.48,0.953
  Top region: 27.94,0.953 27.629,0.891 27.365,0.714 27.189,0.451 27.127,0.14 27.127,0.14 27.127,0 27.127,-0.203 27.189,-0.514 27.365,-0.778 27.629,-0.954 27.94,-1.016 27.94,-1.016 28.251,-0.954 28.515,-0.778 28.691,-0.514 28.753,-0.203 28.753,-0.203 28.753,0 28.753,0.14 28.691,0.451 28.515,0.714 28.251,0.891 27.94,0.953
  Top region: 25.4,0.953 25.089,0.891 24.825,0.714 24.649,0.451 24.587,0.14 24.587,0.14 24.587,0 24.587,-0.203 24.649,-0.514 24.825,-0.778 25.089,-0.954 25.4,-1.016 25.4,-1.016 25.711,-0.954 25.975,-0.778 26.151,-0.514 26.213,-0.203 26.213,-0.203 26.213,0 26.213,0.14 26.151,0.451 25.975,0.714 25.711,0.891 25.4,0.953
  Top region: 22.86,0.953 22.549,0.891 22.285,0.714 22.109,0.451 22.047,0.14 22.047,0.14 22.047,0 22.047,-0.203 22.109,-0.514 22.285,-0.778 22.549,-0.954 22.86,-1.016 22.86,-1.016 23.171,-0.954 23.435,-0.778 23.611,-0.514 23.673,-0.203 23.673,-0.203 23.673,0 23.673,0.14 23.611,0.451 23.435,0.714 23.171,0.891 22.86,0.953
  Top region: 20.32,0.953 20.009,0.891 19.745,0.714 19.569,0.451 19.507,0.14 19.507,0.14 19.507,0 19.507,-0.203 19.569,-0.514 19.745,-0.778 20.009,-0.954 20.32,-1.016 20.32,-1.016 20.631,-0.954 20.895,-0.778 21.071,-0.514 21.133,-0.203 21.133,-0.203 21.133,0 21.133,0.14 21.071,0.451 20.895,0.714 20.631,0.891 20.32,0.953
  Top region: 17.78,0.953 17.469,0.891 17.205,0.714 17.029,0.451 16.967,0.14 16.967,0.14 16.967,0 16.967,-0.203 17.029,-0.514 17.205,-0.778 17.469,-0.954 17.78,-1.016 17.78,-1.016 18.091,-0.954 18.355,-0.778 18.531,-0.514 18.593,-0.203 18.593,-0.203 18.593,0 18.593,0.14 18.531,0.451 18.355,0.714 18.091,0.891 17.78,0.953
  Top region: 15.24,0.953 14.929,0.891 14.665,0.714 14.489,0.451 14.427,0.14 14.427,0.14 14.427,0 14.427,-0.203 14.489,-0.514 14.665,-0.778 14.929,-0.954 15.24,-1.016 15.24,-1.016 15.551,-0.954 15.815,-0.778 15.991,-0.514 16.053,-0.203 16.053,-0.203 16.053,0 16.053,0.14 15.991,0.451 15.815,0.714 15.551,0.891 15.24,0.953
  Top region: 12.7,0.953 12.389,0.891 12.125,0.714 11.949,0.451 11.887,0.14 11.887,0.14 11.887,0 11.887,-0.203 11.949,-0.514 12.125,-0.778 12.389,-0.954 12.7,-1.016 12.7,-1.016 13.011,-0.954 13.275,-0.778 13.451,-0.514 13.513,-0.203 13.513,-0.203 13.513,0 13.513,0.14 13.451,0.451 13.275,0.714 13.011,0.891 12.7,0.953
  Top region: 10.16,0.953 9.849,0.891 9.585,0.714 9.409,0.451 9.347,0.14 9.347,0.14 9.347,0 9.347,-0.203 9.409,-0.514 9.585,-0.778 9.849,-0.954 10.16,-1.016 10.16,-1.016 10.471,-0.954 10.735,-0.778 10.911,-0.514 10.973,-0.203 10.973,-0.203 10.973,0 10.973,0.14 10.911,0.451 10.735,0.714 10.471,0.891 10.16,0.953
  Top region: 7.62,0.953 7.309,0.891 7.045,0.714 6.869,0.451 6.807,0.14 6.807,0.14 6.807,0 6.807,-0.203 6.869,-0.514 7.045,-0.778 7.309,-0.954 7.62,-1.016 7.62,-1.016 7.931,-0.954 8.195,-0.778 8.371,-0.514 8.433,-0.203 8.433,-0.203 8.433,0 8.433,0.14 8.371,0.451 8.195,0.714 7.931,0.891 7.62,0.953
  Top region: 5.08,0.953 4.769,0.891 4.505,0.714 4.329,0.451 4.267,0.14 4.267,0.14 4.267,0 4.267,-0.203 4.329,-0.514 4.505,-0.778 4.769,-0.954 5.08,-1.016 5.08,-1.016 5.391,-0.954 5.655,-0.778 5.831,-0.514 5.893,-0.203 5.893,-0.203 5.893,0 5.893,0.14 5.831,0.451 5.655,0.714 5.391,0.891 5.08,0.953
  Top region: 2.54,0.953 2.229,0.891 1.965,0.714 1.789,0.451 1.727,0.14 1.727,0.14 1.727,0 1.727,-0.203 1.789,-0.514 1.965,-0.778 2.229,-0.954 2.54,-1.016 2.54,-1.016 2.851,-0.954 3.115,-0.778 3.291,-0.514 3.353,-0.203 3.353,-0.203 3.353,0 3.353,0.14 3.291,0.451 3.115,0.714 2.851,0.891 2.54,0.953
  Top region: 0,0.953 -0.813,0.953 -0.813,-0.965 0.813,-0.965 0.813,0.953
  Top keep-out circle w0.05: c0,0 r0.25
  Top keep-out lines w0.05: -0.35,0 0.35,0 ; 0,-0.35 0,0.35
  Bottom region: -0.813,0.965 -0.813,-0.711 -0.318,-0.711 -0.259,-0.723 -0.21,-0.756 -0.177,-0.805 -0.165,-0.864 -0.165,-0.864 -0.064,-0.991 -0.114,-0.94 -0.813,-0.94 -0.813,-1.918 0.813,-1.918 0.813,-0.94 0.165,-0.94 0.165,-0.864 0.177,-0.805 0.21,-0.756 0.259,-0.723 0.318,-0.711 0.318,-0.711 0.813,-0.711 0.813,0.965
  Bottom region: 22.86,0.953 22.549,0.891 22.285,0.714 22.109,0.451 22.047,0.14 22.047,0.14 22.047,-0.17 22.074,-0.332 22.129,-0.511 22.268,-0.711 22.543,-0.711 22.601,-0.723 22.65,-0.756 22.683,-0.805 22.695,-0.864 22.695,-0.864 22.796,-0.991 22.746,-0.94 22.047,-0.94 22.047,-1.918 23.673,-1.918 23.673,-0.94 23.025,-0.94 23.025,-0.864 23.037,-0.805 23.07,-0.756 23.119,-0.723 23.177,-0.711 23.177,-0.711 23.452,-0.711 23.591,-0.511 23.646,-0.332 23.673,-0.17 23.673,0 23.673,0.14 23.611,0.451 23.435,0.714 23.171,0.891 22.86,0.953
  Bottom region: 30.48,0.953 30.169,0.891 29.905,0.714 29.729,0.451 29.667,0.14 29.667,0.14 29.667,-0.17 29.694,-0.332 29.749,-0.511 29.888,-0.711 30.162,-0.711 30.221,-0.723 30.27,-0.756 30.303,-0.805 30.315,-0.864 30.315,-0.864 30.416,-0.991 30.366,-0.94 29.667,-0.94 29.667,-1.918 31.293,-1.918 31.293,-0.94 30.645,-0.94 30.645,-0.864 30.657,-0.805 30.69,-0.756 30.739,-0.723 30.797,-0.711 30.797,-0.711 31.072,-0.711 31.211,-0.511 31.266,-0.332 31.293,-0.17 31.293,0 31.293,0.14 31.231,0.451 31.055,0.714 30.791,0.891 30.48,0.953
  Bottom region: 27.94,0.953 27.629,0.891 27.365,0.714 27.189,0.451 27.127,0.14 27.127,0.14 27.127,-0.17 27.154,-0.332 27.209,-0.511 27.348,-0.711 27.622,-0.711 27.681,-0.723 27.73,-0.756 27.763,-0.805 27.775,-0.864 27.775,-0.864 27.877,-0.991 27.826,-0.94 27.127,-0.94 27.127,-1.918 28.753,-1.918 28.753,-0.94 28.105,-0.94 28.105,-0.864 28.117,-0.805 28.15,-0.756 28.199,-0.723 28.258,-0.711 28.258,-0.711 28.532,-0.711 28.671,-0.511 28.726,-0.332 28.753,-0.17 28.753,0 28.753,0.14 28.691,0.451 28.515,0.714 28.251,0.891 27.94,0.953
  Bottom region: 25.4,0.953 25.089,0.891 24.825,0.714 24.649,0.451 24.587,0.14 24.587,0.14 24.587,-0.17 24.614,-0.332 24.669,-0.511 24.808,-0.711 25.082,-0.711 25.141,-0.723 25.19,-0.756 25.223,-0.805 25.235,-0.864 25.235,-0.864 25.336,-0.991 25.286,-0.94 24.587,-0.94 24.587,-1.918 26.213,-1.918 26.213,-0.94 25.565,-0.94 25.565,-0.864 25.577,-0.805 25.61,-0.756 25.659,-0.723 25.717,-0.711 25.717,-0.711 25.992,-0.711 26.131,-0.511 26.186,-0.332 26.213,-0.17 26.213,0 26.213,0.14 26.151,0.451 25.975,0.714 25.711,0.891 25.4,0.953
  Bottom region: 20.32,0.953 20.009,0.891 19.745,0.714 19.569,0.451 19.507,0.14 19.507,0.14 19.507,-0.17 19.534,-0.332 19.589,-0.511 19.728,-0.711 20.002,-0.711 20.061,-0.723 20.11,-0.756 20.143,-0.805 20.155,-0.864 20.155,-0.864 20.256,-0.991 20.206,-0.94 19.507,-0.94 19.507,-1.918 21.133,-1.918 21.133,-0.94 20.485,-0.94 20.485,-0.864 20.497,-0.805 20.53,-0.756 20.579,-0.723 20.637,-0.711 20.637,-0.711 20.912,-0.711 21.051,-0.511 21.106,-0.332 21.133,-0.17 21.133,0 21.133,0.14 21.071,0.451 20.895,0.714 20.631,0.891 20.32,0.953
  Bottom region: 17.78,0.953 17.469,0.891 17.205,0.714 17.029,0.451 16.967,0.14 16.967,0.14 16.967,-0.17 16.994,-0.332 17.049,-0.511 17.188,-0.711 17.462,-0.711 17.521,-0.723 17.57,-0.756 17.603,-0.805 17.615,-0.864 17.615,-0.864 17.716,-0.991 17.666,-0.94 16.967,-0.94 16.967,-1.918 18.593,-1.918 18.593,-0.94 17.945,-0.94 17.945,-0.864 17.957,-0.805 17.99,-0.756 18.039,-0.723 18.098,-0.711 18.098,-0.711 18.372,-0.711 18.511,-0.511 18.566,-0.332 18.593,-0.17 18.593,0 18.593,0.14 18.531,0.451 18.355,0.714 18.091,0.891 17.78,0.953
  Bottom region: 15.24,0.953 14.929,0.891 14.665,0.714 14.489,0.451 14.427,0.14 14.427,0.14 14.427,-0.17 14.454,-0.332 14.509,-0.511 14.648,-0.711 14.922,-0.711 14.981,-0.723 15.03,-0.756 15.063,-0.805 15.075,-0.864 15.075,-0.864 15.176,-0.991 15.126,-0.94 14.427,-0.94 14.427,-1.918 16.053,-1.918 16.053,-0.94 15.405,-0.94 15.405,-0.864 15.417,-0.805 15.45,-0.756 15.499,-0.723 15.557,-0.711 15.557,-0.711 15.832,-0.711 15.971,-0.511 16.026,-0.332 16.053,-0.17 16.053,0 16.053,0.14 15.991,0.451 15.815,0.714 15.551,0.891 15.24,0.953
  Bottom region: 12.7,0.953 12.389,0.891 12.125,0.714 11.949,0.451 11.887,0.14 11.887,0.14 11.887,-0.17 11.914,-0.332 11.969,-0.511 12.108,-0.711 12.383,-0.711 12.441,-0.723 12.49,-0.756 12.523,-0.805 12.535,-0.864 12.535,-0.864 12.636,-0.991 12.586,-0.94 11.887,-0.94 11.887,-1.918 13.513,-1.918 13.513,-0.94 12.865,-0.94 12.865,-0.864 12.877,-0.805 12.91,-0.756 12.959,-0.723 13.018,-0.711 13.018,-0.711 13.292,-0.711 13.431,-0.511 13.486,-0.332 13.513,-0.17 13.513,0 13.513,0.14 13.451,0.451 13.275,0.714 13.011,0.891 12.7,0.953
  Bottom region: 10.16,0.953 9.849,0.891 9.585,0.714 9.409,0.451 9.347,0.14 9.347,0.14 9.347,-0.17 9.374,-0.332 9.429,-0.511 9.568,-0.711 9.842,-0.711 9.901,-0.723 9.95,-0.756 9.983,-0.805 9.995,-0.864 9.995,-0.864 10.096,-0.991 10.046,-0.94 9.347,-0.94 9.347,-1.918 10.973,-1.918 10.973,-0.94 10.325,-0.94 10.325,-0.864 10.337,-0.805 10.37,-0.756 10.419,-0.723 10.477,-0.711 10.477,-0.711 10.752,-0.711 10.891,-0.511 10.946,-0.332 10.973,-0.17 10.973,0 10.973,0.14 10.911,0.451 10.735,0.714 10.471,0.891 10.16,0.953
  Bottom region: 7.62,0.953 7.309,0.891 7.045,0.714 6.869,0.451 6.807,0.14 6.807,0.14 6.807,-0.17 6.834,-0.332 6.889,-0.511 7.028,-0.711 7.302,-0.711 7.361,-0.723 7.41,-0.756 7.443,-0.805 7.455,-0.864 7.455,-0.864 7.556,-0.991 7.506,-0.94 6.807,-0.94 6.807,-1.918 8.433,-1.918 8.433,-0.94 7.785,-0.94 7.785,-0.864 7.797,-0.805 7.83,-0.756 7.879,-0.723 7.938,-0.711 7.938,-0.711 8.212,-0.711 8.351,-0.511 8.406,-0.332 8.433,-0.17 8.433,0 8.433,0.14 8.371,0.451 8.195,0.714 7.931,0.891 7.62,0.953
  Bottom region: 5.08,0.953 4.769,0.891 4.505,0.714 4.329,0.451 4.267,0.14 4.267,0.14 4.267,-0.17 4.294,-0.332 4.349,-0.511 4.488,-0.711 4.763,-0.711 4.821,-0.723 4.87,-0.756 4.903,-0.805 4.915,-0.864 4.915,-0.864 5.016,-0.991 4.966,-0.94 4.267,-0.94 4.267,-1.918 5.893,-1.918 5.893,-0.94 5.245,-0.94 5.245,-0.864 5.257,-0.805 5.29,-0.756 5.339,-0.723 5.397,-0.711 5.397,-0.711 5.672,-0.711 5.811,-0.511 5.866,-0.332 5.893,-0.17 5.893,0 5.893,0.14 5.831,0.451 5.655,0.714 5.391,0.891 5.08,0.953
  Bottom region: 33.02,0.953 32.709,0.891 32.445,0.714 32.269,0.451 32.207,0.14 32.207,0.14 32.207,-0.17 32.234,-0.332 32.289,-0.511 32.428,-0.711 32.702,-0.711 32.761,-0.723 32.81,-0.756 32.843,-0.805 32.855,-0.864 32.855,-0.864 32.956,-0.991 32.906,-0.94 32.207,-0.94 32.207,-1.918 33.833,-1.918 33.833,-0.94 33.185,-0.94 33.185,-0.864 33.197,-0.805 33.23,-0.756 33.279,-0.723 33.337,-0.711 33.337,-0.711 33.612,-0.711 33.751,-0.511 33.806,-0.332 33.833,-0.17 33.833,0 33.833,0.14 33.771,0.451 33.595,0.714 33.331,0.891 33.02,0.953
  Bottom region: 2.54,0.953 2.229,0.891 1.965,0.714 1.789,0.451 1.727,0.14 1.727,0.14 1.727,-0.17 1.754,-0.332 1.809,-0.511 1.948,-0.711 2.222,-0.711 2.281,-0.723 2.33,-0.756 2.363,-0.805 2.375,-0.864 2.375,-0.864 2.476,-0.991 2.426,-0.94 1.727,-0.94 1.727,-1.918 3.353,-1.918 3.353,-0.94 2.705,-0.94 2.705,-0.864 2.717,-0.805 2.75,-0.756 2.799,-0.723 2.857,-0.711 2.857,-0.711 3.132,-0.711 3.271,-0.511 3.326,-0.332 3.353,-0.17 3.353,0 3.353,0.14 3.291,0.451 3.115,0.714 2.851,0.891 2.54,0.953
  body extent -1.38,-1.38 34.4,1.38, height 3.81
USBMICRO-ZX62-AB-5PA [mm] "USBMICRO-ZX62-AB-5PA"
  rrect3% 0.4x1.35 smd: 1(-1.3,3.025) 2(-0.65,3.025) 3(0,3.025) 4(0.65,3.025) 5(1.3,3.025)
  rrect3% 2.1x1.6 smd: 6(3.1,2.9) 11(-3.1,2.9)
  rrect3% 1.8x1.9 smd: 7(4,0.35) 10(-4,0.35)
  rrect3% 1.9x1.9 smd: 8(1.2,0.35) 9(-1.2,0.35)
  Top keep-out circle w0.05: c0,0 r0.25
  Top keep-out lines w0.05: 0,-0.35 0,0.35 ; 0.35,0 -0.35,0
  body extent -4.9,-2.41 4.9,3.7, height 3.81